# Altium PCB spin5v1_simple.PcbDoc (part 8 of 25) (continued)
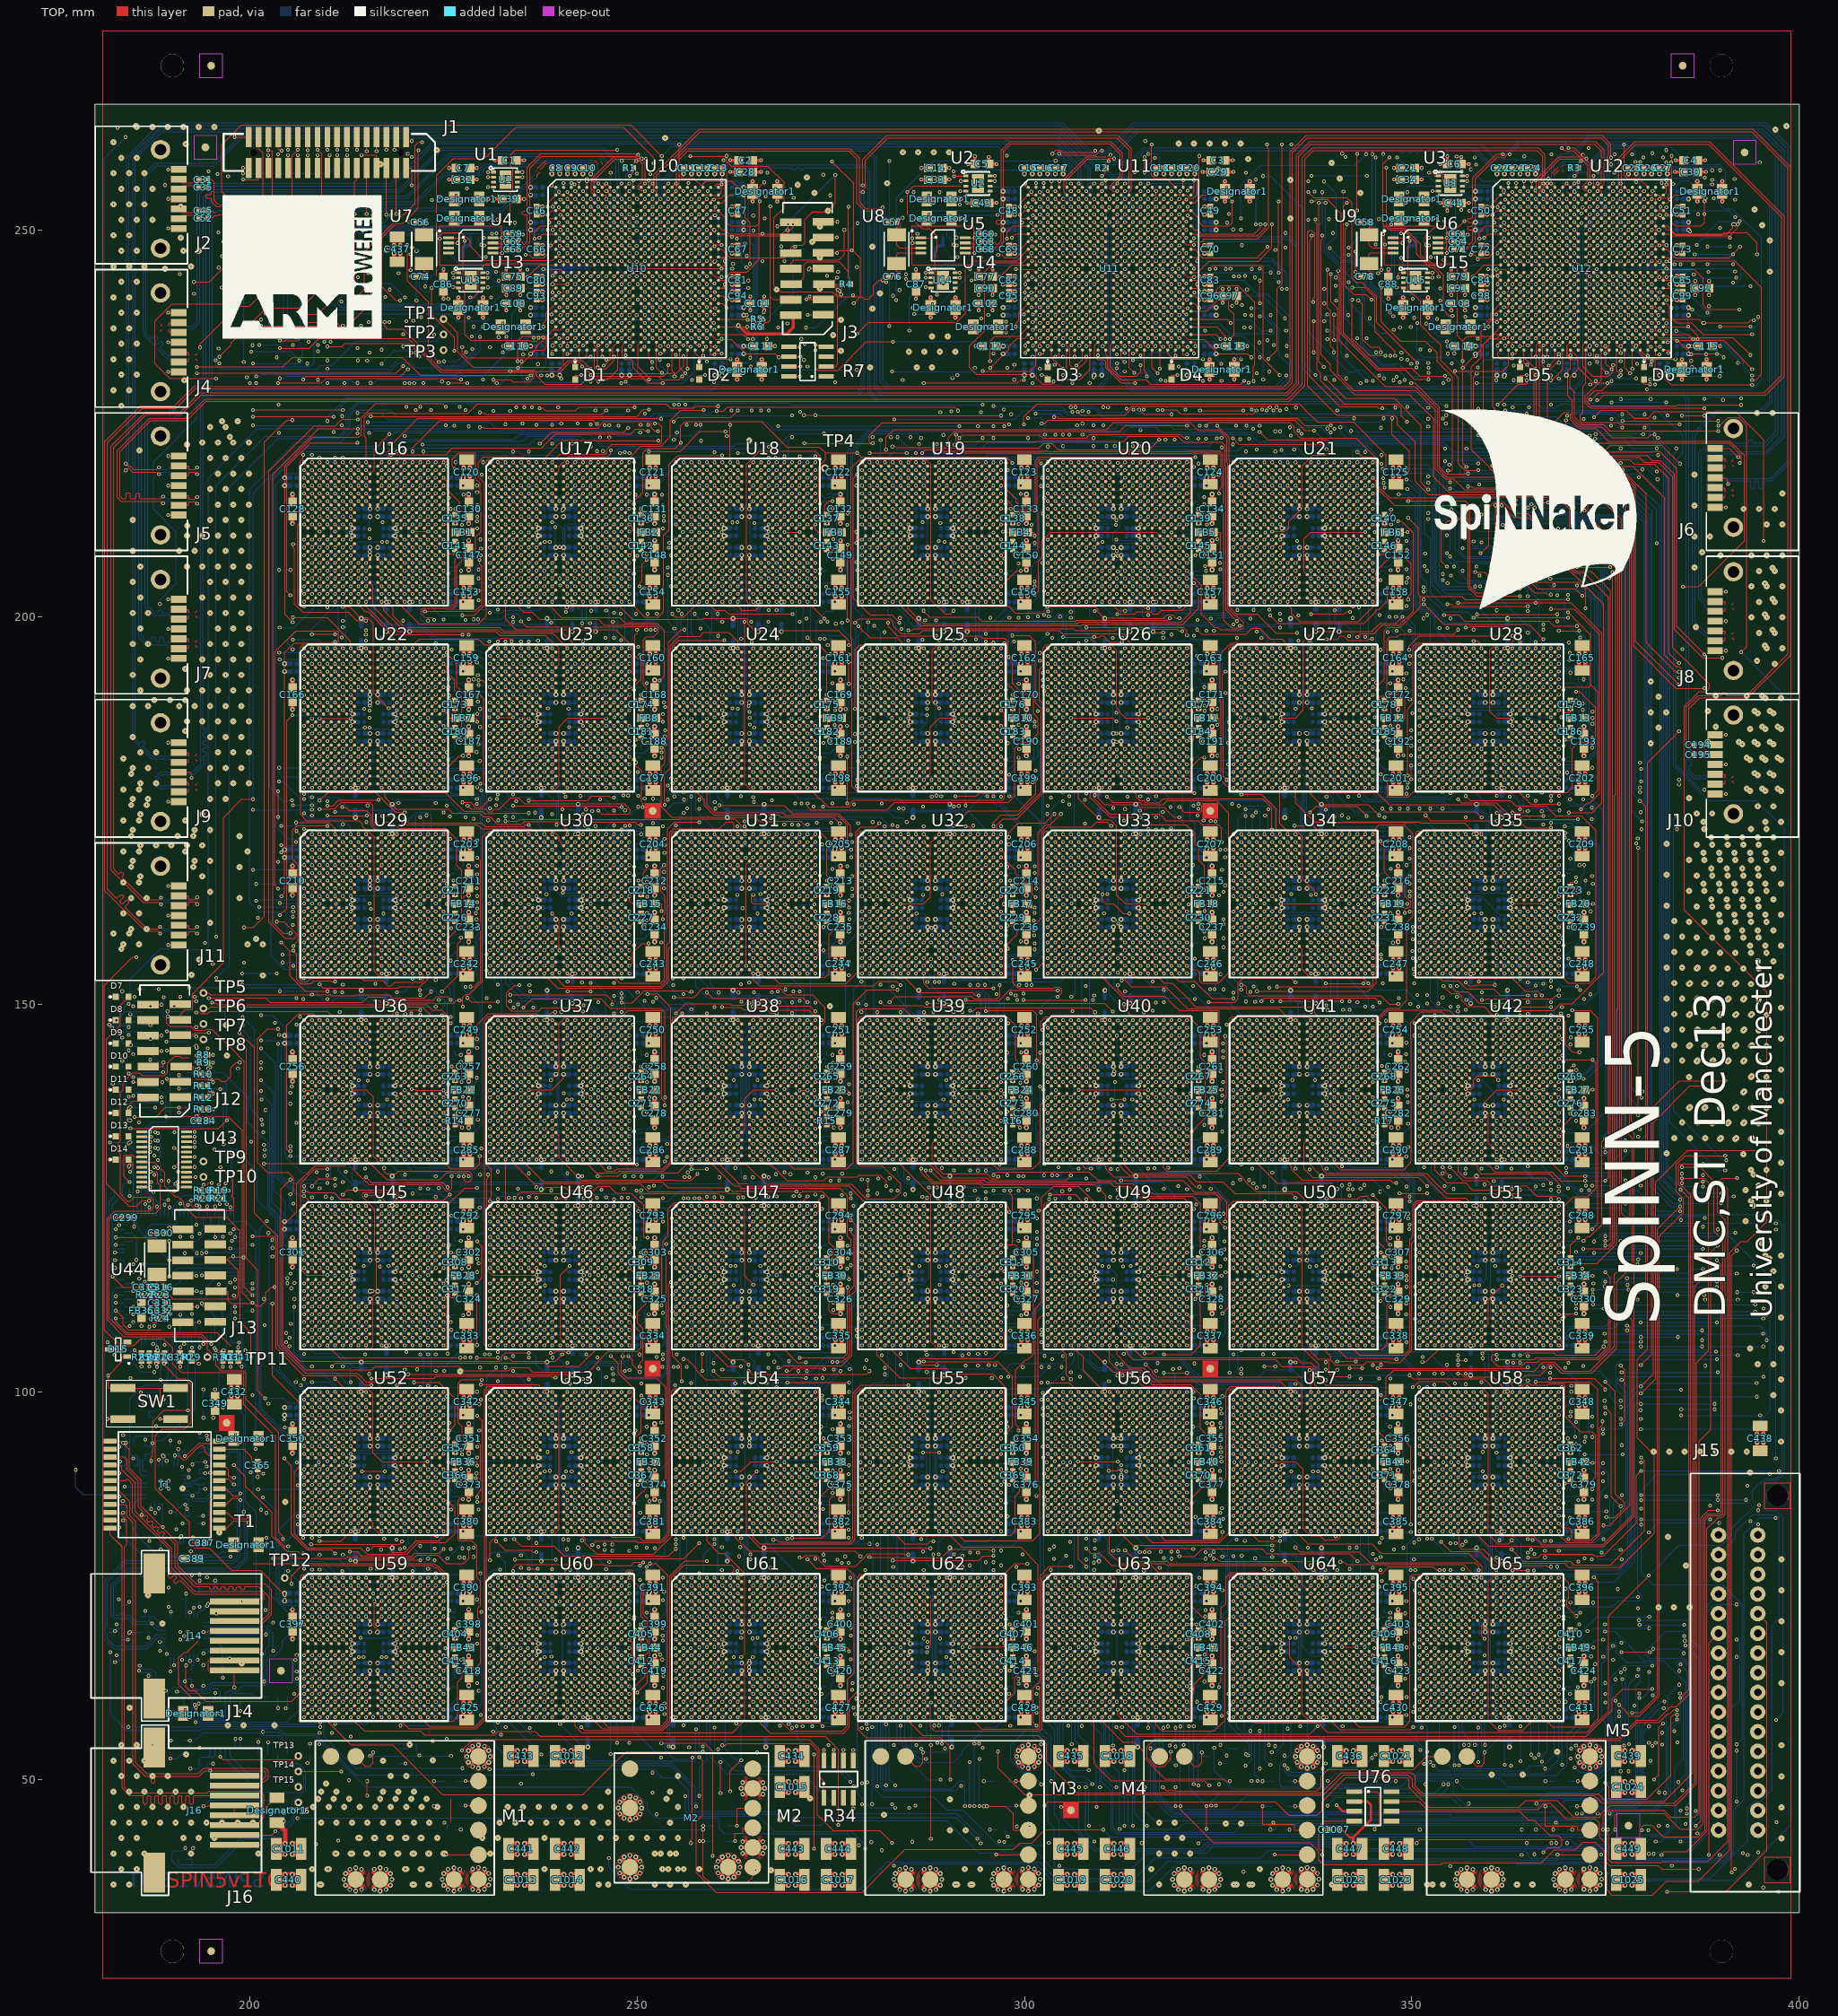
[diagram p0: TOP view]
## Nets (pads, with @x,y where several pads share a name; then routed paths per layer and width w, separated by ;. In a path a pad name is that pad's centre, name@x,y a point inside that pad or via, vN(x,y) a via of type N, cw(c..) or ccw(c..) an arc to the next point about the centre after c; other vN are vias at no path point) (continued)
S03_L0<7>: U32.T11 U33.C11
  other v1: 290,156 314,170 290.917,175.551
S03_L0<8>: U32.R9 U33.D9
  other v1: 287,157 311,169
S03_L0<9>: U32.V8 U33.A8
  other v1: 286,154 288.025,159.901 310,172
S03_L0<10>: U32.U8 U33.B8
  other v1: 286,155 310,171
S03_L0<11>: U32.T8 U33.C8
  other v1: 286,156 310,170
S03_L0<12>: U32.R8 U33.D8
  other v1: 286,157 310,169
S03_L0<13>: U32.V9 U33.A9 | length 37.4
  TOP w0.127: v1(287,154) 287,152.747 287.635,152.112 v1(296,152.112) ; v1(301.517,154.516) 302.522,155.521 302.522,172.177 302.776,172.431 310.569,172.431 v1(311,172)
S03_L0<14>: U32.U9 U33.B9
  other v1: 287,155 311,171
S03_L0<15>: U32.T9 U33.C9
  other v1: 287,156 311,170
S03_L1<0>: U26.D7 U32.V16
  other v1: 295,154 301.242,158.951 309,193 298.655,195.132
S03_L1<1>: U26.A6 U32.V14 | length 34.7
  BOTTOM w0.127: v1(293,154) 293.431,154.431 296.232,154.431 296.431,154.232 296.431,153.942 296.939,153.434 303.05,153.434 303.431,153.815 303.431,175.193 304.511,176.273 v1(305,176.273)
  other v1: 308,196
S03_L1<2>: U26.B6 U32.U14 | length 52.9
  BOTTOM w0.127: v1(293,155) 293.496,155.496 297.314,155.496 298.057,156.239 301.444,156.239 302.27,157.065 302.27,181.928 302.842,182.5 307.113,182.5 307.431,182.818 307.431,194.431 v1(308,195)
S03_L1<3>: U26.C6 U32.T14
  other v1: 298.262,151.397 293,156 308,194
S03_L1<4>: U26.D6 U32.R14
  other v1: 293,157 306.099,163.067 308,193
S03_L1<5>: U26.A7 U32.V15 | length 47.1
  BOTTOM w0.127: v1(301.295,155.222) 302.525,156.452 302.525,181.177 302.779,181.431 308.05,181.431 308.431,181.812 308.431,195.431 v1(309,196)
  other v1: 294,154
S03_L1<6>: U26.B7 U32.U15
  other v1: 294,155 301.317,157.108 301.993,194.4 309,195
S03_L1<7>: U26.C7 U32.T15
  other v1: 294,156 301.216,160.835 302.391,192.8 309,194
S03_L1<8>: U26.D5 U32.R13
  other v1: 292,157 291.524,175.642 307,193
S03_L1<9>: U26.A3 U32.V12 | length 11.9
  BOTTOM w0.127: v1(297.607,158.957) 297.219,158.569 296.768,158.569 296.569,158.768 296.569,164.232 296.768,164.431 297.566,164.431 298.836,165.701 298.836,165.744 299.279,166.187 v1(299.279,167.821)
  other v1: 291,154 288.066,159 305,196
S03_L1<10>: U26.A4 U32.U12 | length 35.3
  TOP w0.127: v1(292.4,173) 292.831,173 293.22,172.611 296.232,172.611 296.431,172.81 296.431,173.142 297.257,173.968 299.06,173.968 302.426,177.334 302.426,188.873 301.96,189.339 301.96,193.253 302.424,193.717 302.424,196.034 302.821,196.431 305.569,196.431 v1(306,196)
  other v1: 291,155
S03_L1<11>: U26.B4 U32.T12
  other v1: 291,156 305.8,175.842 306,195
S03_L1<12>: U26.C4 U32.R12
  other v1: 291,157 306,194
S03_L1<13>: U26.A5 U32.V13
  other v1: 292,154 305.8,176.873 307,196
S03_L1<14>: U26.B5 U32.U13 | length 34.3
  TOP w0.127: v1(290.875,173.079) 292.78,174.984 299.28,174.984 301.503,177.207 v1(301.503,179.123)
  BOTTOM w0.127: v1(301.503,179.123) 302.016,179.636 302.016,182.637 302.81,183.431 306.05,183.431 306.431,183.812 306.431,194.431 v1(307,195)
  other v1: 292,155 289.4,164.242
S03_L1<15>: U26.C5 U32.T13 | length 7.5
  TOP w0.127: v1(298,171.6) 298,172.253 299.207,173.46 302.721,173.46 v1(303.862,174.601)
  other v1: 292,156 307,194
S03_L2<0>: U24.R5 U32.R16 | length 22.7
  BOTTOM w0.127: v1(256.014,174.741) 255.568,174.295 255.568,170.788 255.886,170.47 273.229,170.47 273.431,170.672 v1(273.898,170.672)
  other v1: 295,157 296,162.966 259,181
S03_L2<1>: U24.V3 U32.N15 | length 31.4
  TOP w0.127: 257,178 257.451,177.549 257.542,177.549 258.685,176.406 258.685,175.708 259.892,174.501 268.306,174.501 268.63,174.177 275.384,174.177 v1(276.169,173.392)
  BOTTOM w0.127: v1(286.067,161.742) 287.057,161.742 287.311,161.488 287.311,160.003 287.883,159.431 293.569,159.431 294,159
  other v1: 277.342,163.431
S03_L2<2>: U24.V4 U32.N16 | length 56
  BOTTOM w0.127: v1(258,178) 257.568,177.568 257.568,175.074 260.045,172.597 266.851,172.597 268.431,174.177 281.453,174.177 282.533,173.097 282.533,172.994 282.978,172.549 294.113,172.549 294.431,172.231 294.431,159.569 v1(295,159)
  other v1: 290,172
S03_L2<3>: U24.U4 U32.N17
  other v1: 296,159 286.903,164.172 282.964,173.199 275.054,173.492 258,179
S03_L2<4>: U24.T4 U32.N18 | length 40.7
  BOTTOM w0.127: 258,180 258.432,179.568 258.432,176.327 259.893,174.866 282.424,174.866 283.152,174.138 284.22,174.138 v1(284.8,173.558) ; v1(297,173.042) 296.569,172.611 296.569,165.768 296.768,165.569 297.178,165.569 297.609,166 v1(298.163,166)
  other v1: 297,159
S03_L2<5>: U24.V5 U32.P16 | length 57.3
  TOP w0.127: v1(259,178) 259,175.771 260.016,174.755 268.814,174.755 269.138,174.431 275.871,174.431 277.141,173.161 277.141,170.482 v1(277.623,170)
  BOTTOM w0.127: v1(277.623,170) 278.315,170.692 278.315,170.986 278.76,171.431 286.232,171.431 286.431,171.232 286.431,169.812 286.05,169.431 285.82,169.431 285.439,169.05 285.439,158.939 285.947,158.431 294.569,158.431 295,158
S03_L2<6>: U24.U5 U32.P17
  other v1: 296,158 297.607,160.791 280.901,162.931 259,179
S03_L2<7>: U24.T5 U32.P18
  other v1: 297,158 259,180
S03_L2<8>: U24.R7 U32.V18
  other v1: 297,154 299.237,161.035 294.901,163.068 277.142,167.842 272.8,175.565 261,181
S03_L2<9>: U24.V6 U32.R17
  other v1: 296,157 299.535,158.158 287,173 260,178
S03_L2<10>: U24.U6 U32.R18 | length 55.9
  BOTTOM w0.127: v1(260,179) 260.437,178.563 260.437,176.709 261.031,176.115 261.031,175.452 261.349,175.134 283.202,175.134 283.47,174.866 292.764,174.866 295.431,172.199 295.431,157.939 295.939,157.431 296.569,157.431 v1(297,157)
  other v1: 297,156 257,178 261,178 262,178 258,180
S03_L2<11>: U24.T6 U32.T16 | length 8.3
  BOTTOM w0.127: v1(287.931,158) 288.5,157.431 294.232,157.431 294.431,157.232 294.431,156.569 v1(295,156)
  other v1: 260,180
S03_L2<12>: U24.R6 U32.T17
  other v1: 296,156 301.317,157.915 260,181
S03_L2<13>: U24.V7 U32.T18 | length 66.6
  BOTTOM w0.127: 261,178 261.597,177.403 270.101,177.403 270.854,176.65 283.815,176.65 285.085,175.38 285.085,175.374 285.339,175.12 292.792,175.12 294.57,176.898 294.57,176.94 294.967,177.337 298.29,177.337 301.973,173.654 301.973,157.128 301.338,156.493 297.493,156.493 297,156
S03_L2<14>: U24.U7 U32.U17
  other v1: 296,155 287.931,155.901 261,179
S03_L2<15>: U24.T7 U32.U18
  other v1: 297,155 297.607,159.577 261,180
S04_L0<0>: U33.R11 U41.D11
  other v1: 338,145 314,157
S04_L0<1>: U33.V10 U41.A10 | length 27
  TOP w0.127: v1(313,154) 313,153.16 313.826,152.334 318.24,152.334 320.209,150.365 320.209,150.359 321.098,149.47 332.859,149.47 333.898,148.431 336.569,148.431 v1(337,148)
S04_L0<2>: U33.U10 U41.B10
  other v1: 337,147 328,151.934 313,155
S04_L0<3>: U33.T10 U41.C10 | length 15.4
  BOTTOM w0.127: 313,156 312.431,155.431 312.4,155.431 311.638,154.669 311.638,152.207 312.972,150.873 321.411,150.873 321.581,150.703 v1(322.012,150.703)
  other v1: 337,146
S04_L0<4>: U33.R10 U41.D10
  other v1: 337,145 321.758,152.38 312.569,153.122 313,157
S04_L0<5>: U33.V11 U41.A11 | length 27
  TOP w0.127: v1(314,154) 314.597,153.403 317.429,153.403 318.064,152.768 319.104,152.768 321.327,150.545 321.327,150.518 322.121,149.724 337.059,149.724 337.504,149.279 337.504,148.888 338,148.392 v1(338,148)
S04_L0<6>: U33.U11 U41.B11 | length 16.4
  BOTTOM w0.127: v1(325.327,153.935) 326.631,152.631 326.66,152.631 328.171,151.12 334.797,151.12 336.194,149.723 336.194,148.193 336.956,147.431 337.569,147.431 338,147
  other v1: 314,155
S04_L0<7>: U33.T11 U41.C11
  other v1: 338,146 316.554,152.972 314,156
S04_L0<8>: U33.R9 U41.D9
  other v1: 335,145 311,157
S04_L0<9>: U33.V8 U41.A8 | length 8.8
  TOP w0.127: v1(310,154) 310,153.608 310.496,153.112 310.496,153.061 312.973,150.584 315.168,150.584 v1(316.552,149.2)
S04_L0<10>: U33.U8 U41.B8 | length 8.1
  BOTTOM w0.127: v1(326.127,147.431) 333.569,147.431 v1(334,147)
  other v1: 310,155
S04_L0<11>: U33.T8 U41.C8 | length 37.5
  BOTTOM w0.127: v1(310,156) 309.569,155.569 308.768,155.569 308.569,155.768 308.569,157.232 308.768,157.431 321.232,157.431 321.431,157.232 321.431,153.504 322.189,152.746 322.189,152.703 323.396,151.496 325.15,151.496 328.215,148.431 334.178,148.431 334.432,148.177 334.432,146.432 v1(334,146)
  other v1: 334,148
S04_L0<12>: U33.R8 U41.D8
  other v1: 334,145 316.983,150.254 312.067,156 310,157
S04_L0<13>: U33.V9 U41.A9 | length 13.9
  TOP w0.127: v1(323.812,150.303) 327.124,150.303 327.569,150.748 327.569,152.768 328.204,153.403 334.451,153.403 v1(335,152.854)
  other v1: 335,148 311,154
S04_L0<14>: U33.U9 U41.B9 | length 9.4
  BOTTOM w0.127: v1(329.8,150.379) 330.287,150.866 334.638,150.866 335.432,150.072 335.432,147.432 v1(335,147)
  other v1: 338,147 311,155
S04_L0<15>: U33.T9 U41.C9
  other v1: 335,146 325.727,151.957 311,156
S04_L1<0>: U33.V16 U34.D7 | length 9.3
  TOP w0.127: v1(319,154) 319.978,153.022 321.998,153.022 324.221,150.799 v1(326.985,150.799)
  other v1: 333,169
S04_L1<1>: U33.V14 U34.A6
  other v1: 328.6,150.399 317,154 332,172
S04_L1<2>: U33.U14 U34.B6
  other v1: 317,155 323.267,158.558 325.715,158.558 332,171
S04_L1<3>: U33.T14 U34.C6
  other v1: 317,156 332,170
S04_L1<4>: U33.R14 U34.D6
  other v1: 317,157 332,169
S04_L1<5>: U33.V15 U34.A7 | length 8.7
  TOP w0.127: v1(328,177.139) 330.603,177.139 332.508,175.234 332.508,172.492 v1(333,172)
  other v1: 323.964,151.98 318,154 325.715,161.015 322.335,174.389
S04_L1<6>: U33.U15 U34.B7
  other v1: 318,155 333,171
S04_L1<7>: U33.T15 U34.C7
  other v1: 318,156 325.967,170 333,170
S04_L1<8>: U33.R13 U34.D5
  other v1: 316,157 331,169
S04_L1<9>: U33.V12 U34.A3
  other v1: 315,154 329,172
S04_L1<10>: U33.U12 U34.A4 | length 19.4
  BOTTOM w0.127: v1(324.571,151.98) 324.571,152.411 324.896,152.736 324.896,158.417 323.754,159.559 323.754,168.149 324.008,168.403 324.174,168.403 325.317,169.546 v1(325.317,170)
  other v1: 315,155 330,172
S04_L1<11>: U33.T12 U34.B4
  other v1: 315,156 330,171
S04_L1<12>: U33.R12 U34.C4
  other v1: 315,157 330,170
S04_L1<13>: U33.V13 U34.A5
  other v1: 316,154 312.069,154.099 331,172 312.507,172.431
S04_L1<14>: U33.U13 U34.B5 | length 4.9
  BOTTOM w0.127: v1(316,155) 315.568,154.568 315.568,153.3 316.965,151.903 v1(318,151.903)
  other v1: 326.985,151.534 328,162.931 331,171
S04_L1<15>: U33.T13 U34.C5
  other v1: 322,155.933 316,156 325.115,164.079 331,170
S04_L2<0>: U26.R5 U33.R16
  other v1: 319,157 307.8,176.441 307,181
S04_L2<1>: U26.V3 U33.N15
  other v1: 318,159 311.676,160.895 305,178
S04_L2<2>: U26.V4 U33.N16 | length 30.8
  BOTTOM w0.127: v1(306,178) 306.431,177.569 306.431,171.95 306.812,171.569 314.061,171.569 314.569,171.061 314.569,159.759 314.823,159.505 318.495,159.505 319,159
S04_L2<3>: U26.U4 U33.N17
  other v1: 320,159 306,179
S04_L2<4>: U26.T4 U33.N18 | length 32.5
  BOTTOM w0.127: 306,180 306.569,179.431 308.232,179.431 308.431,179.232 308.431,176.073 309.638,174.866 310.68,174.866 312.331,173.215 312.331,173.193 312.431,173.093 313.299,173.093 313.795,172.597 315.034,172.597 315.431,172.2 315.431,166.939 315.939,166.431 320.232,166.431 320.431,166.232 320.431,159.569 321,159
S04_L2<5>: U26.V5 U33.P16 | length 21.3
  TOP w0.127: v1(307,178) 307,176.574 309.731,173.843 311.065,173.843 311.891,173.017 311.891,164.139 313.034,162.996 v1(316,162.996)
  other v1: 319,158 306,180
S04_L2<6>: U26.U5 U33.P17
  other v1: 320,158 317,174.158 313.328,176.842 307,179
S04_L2<7>: U26.T5 U33.P18 | length 26.9
  TOP w0.127: v1(301.542,165.598) 301.542,166.029 301.76,166.247 301.76,172.177 302.776,173.193 303.316,173.193 v1(304.723,174.6)
  BOTTOM w0.127: v1(309,163.067) 309.431,162.636 309.431,158.939 309.939,158.431 320.569,158.431 321,158
  other v1: 307,180
S04_L2<8>: U26.R7 U33.V18
  other v1: 321,154 310.285,161.758 321.2,162.931 309,181
S04_L2<9>: U26.V6 U33.R17
  other v1: 320,157 308,178
S04_L2<10>: U26.U6 U33.R18
  other v1: 321,157 308,179
S04_L2<11>: U26.T6 U33.T16 | length 10.7
  BOTTOM w0.127: v1(312.999,151.703) 312.999,151.261 313.126,151.134 317.859,151.134 318.431,151.706 318.431,155.431 v1(319,156)
  other v1: 313,156 308,180
S04_L2<12>: U26.R6 U33.T17
  other v1: 320,156 320,162.996 308,181
S04_L2<13>: U26.V7 U33.T18 | length 24.7
  TOP w0.127: v1(309,178) 308.569,177.569 308.569,176.666 311.046,174.189 314.022,174.189 314.98,173.231 320.895,173.231 322.038,172.088 322.038,170.653 322.486,170.205 322.486,168.659 323.237,167.908 v1(323.237,164.793)
  other v1: 321,156
S04_L2<14>: U26.U7 U33.U17 | length 13.4
  BOTTOM w0.127: 309,179 309.505,178.495 309.505,177.848 309.95,177.403 315.716,177.403 317.431,175.688 317.431,173.407 317.8,173.038 v1(317.8,172.607)
  other v1: 320,155
S04_L2<15>: U26.T7 U33.U18 | length 45.1
  TOP w0.127: v1(310.672,176.842) 311.427,176.087 314.85,176.087 315.139,175.798 317.939,175.798 318.462,176.321 324.81,176.321 326.398,174.733 326.398,154.118 325.064,152.784 322.951,152.784 322.697,153.038 322.697,154.051 322.252,154.496 321.504,154.496 v1(321,155)
  other v1: 309,180
S05_L0<0>: U40.R11 U50.D11
  other v1: 338,121 314,133
S05_L0<1>: U40.V10 U50.A10 | length 27
  TOP w0.127: v1(313,130) 313,129.191 313.953,128.238 327.606,128.238 328.432,127.412 328.432,127.304 329.893,125.843 335.157,125.843 v1(337,124)
S05_L0<2>: U40.U10 U50.B10
  other v1: 337,123 313,131
S05_L0<3>: U40.T10 U50.C10 | length 7.3
  BOTTOM w0.127: v1(334.295,116.242) 335.05,116.242 335.939,117.131 335.939,120.939 v1(337,122)
  other v1: 313,132
S05_L0<4>: U40.R10 U50.D10 | length 13.6
  TOP w0.127: v1(316,125.723) 316.431,125.723 316.608,125.546 324.712,125.546 325.284,124.974 325.284,121.831 v1(325.915,121.2)
  other v1: 337,121 313,133
S05_L0<5>: U40.V11 U50.A11
  other v1: 314,130
S05_L0<6>: U40.U11 U50.B11
  other v1: 338,123 314,131
S05_L0<7>: U40.T11 U50.C11 | length 4.4
  BOTTOM w0.127: v1(314,132) 314.569,131.431 315.232,131.431 315.431,131.232 315.431,129.376 v1(316,128.807)
  other v1: 338,122
S05_L0<8>: U40.R9 U50.D9 | length 3.9
  BOTTOM w0.127: v1(324.055,126.231) 325.715,124.571 v1(325.715,123)
  other v1: 335,121 311,133
S05_L0<9>: U40.V8 U50.A8
  other v1: 334,124 310,130
S05_L0<10>: U40.U8 U50.B8
  other v1: 334,123 311.065,125.158 310,131
S05_L0<11>: U40.T8 U50.C8
  other v1: 334,122 316,124.607 310,132
S05_L0<12>: U40.R8 U50.D8 | length 17.5
  TOP w0.127: v1(312.483,127.297) 320.478,127.297 321.431,126.344 321.431,126.308 321.939,125.8 324.876,125.8 326.146,124.53 326.146,122.662 325.915,122.431 v1(325.915,122)
  other v1: 334,121 310,133
S05_L0<13>: U40.V9 U50.A9 | length 26.1
  TOP w0.127: 311,130 311.564,129.436 312.099,129.436 312.496,129.039 312.496,128.998 313.512,127.982 321.386,127.982 322.251,127.117 325.636,127.117 327.164,125.589 334.49,125.589 v1(335,125.079)
  other v1: 335,124
S05_L0<14>: U40.U9 U50.B9
  other v1: 335,123 319.862,126.558 312.065,128.734 311,131
S05_L0<15>: U40.T9 U50.C9
  other v1: 335,122 326.915,126.949 311,132
S05_L1<0>: U40.V16 U41.D7 | length 29.3
  BOTTOM w0.127: v1(319,130) 319.82,129.18 326.807,129.18 327.569,129.942 327.569,144.232 327.768,144.431 332.431,144.431 v1(333,145)
S05_L1<1>: U40.V14 U41.A6
  other v1: 317,130 325.542,133.6 332,148
S05_L1<2>: U40.U14 U41.B6 | length 32.2
  BOTTOM w0.127: v1(317,131) 317.431,131.431 320.232,131.431 320.431,131.232 320.431,129.942 320.939,129.434 323.81,129.434 326.35,131.974 326.35,145.986 326.795,146.431 331.431,146.431 v1(332,147)
S05_L1<3>: U40.T14 U41.C6
  other v1: 317,132 317,138.931 332,146
S05_L1<4>: U40.R14 U41.D6
  other v1: 317,133 332,145
S05_L1<5>: U40.V15 U41.A7 | length 35.2
  TOP w0.127: v1(318,130) 318,128.885 318.381,128.504 324.791,128.504 326.569,130.282 326.569,148.232 326.768,148.431 332.569,148.431 v1(333,148)
S05_L1<6>: U40.U15 U41.B7
  other v1: 318,131 325.435,136.408 333,147
S05_L1<7>: U40.T15 U41.C7 | length 8.8
  TOP w0.127: v1(325.435,137.442) 326.096,138.103 326.096,145.327 325.919,145.504 v1(325.919,145.935)
  other v1: 318,132 333,146
S05_L1<8>: U40.R13 U41.D5
  other v1: 316,133 325.542,138.249 328,138.965 331,145
S05_L1<9>: U40.V12 U41.A3
  other v1: 327.858,127.358 315,130 329,148
S05_L1<10>: U40.U12 U41.A4
  other v1: 315,131 330,148 315.43,149
S05_L1<11>: U40.T12 U41.B4
  other v1: 315,132 330,147
S05_L1<12>: U40.R12 U41.C4
  other v1: 315,133 330,146
S05_L1<13>: U40.V13 U41.A5
  other v1: 316,130 328.93,139.069 331,148
S05_L1<14>: U40.U13 U41.B5
  other v1: 316,131 331,147
S05_L1<15>: U40.T13 U41.C5
  other v1: 316,132 331,146
S05_L2<0>: U33.R5 U40.R16 | length 35.2
  BOTTOM w0.127: v1(307,157) 307.432,156.568 307.432,133.939 307.94,133.431 318.569,133.431 v1(319,133)
S05_L2<1>: U33.V3 U40.N15
  other v1: 318,135 305,154
S05_L2<2>: U33.V4 U40.N16
  other v1: 319,135 306,154
S05_L2<3>: U33.U4 U40.N17
  other v1: 320,135 319,138.931 307.932,152.396 306,155
S05_L2<4>: U33.T4 U40.N18 | length 13.4
  BOTTOM w0.127: v1(311.688,140) 311.688,136.511 312.768,135.431 320.569,135.431 v1(321,135)
  other v1: 313,135 309.001,151.196 306,156
S05_L2<5>: U33.V5 U40.P16
  other v1: 319,134 307,154
S05_L2<6>: U33.U5 U40.P17 | length 24
  BOTTOM w0.127: v1(312.067,147.95) 312.586,147.431 319.232,147.431 319.431,147.232 319.431,137.939 319.939,137.431 321.212,137.431 322.038,136.605 322.038,135.733 321.685,135.38 321.685,135.013 321.177,134.505 320.505,134.505 v1(320,134)
  other v1: 307,155
S05_L2<7>: U33.T5 U40.P18
  other v1: 321,134 321.431,138.531 318,138.931 318,150.3 307,156
S05_L2<8>: U33.R7 U40.V18 | length 41.8
  BOTTOM w0.127: v1(309,157) 309.569,156.431 320.232,156.431 320.431,156.232 320.431,152.893 322.082,151.242 322.102,151.242 324.896,148.448 324.896,134.017 323.118,132.239 322.512,132.239 321.432,131.159 321.432,130.432 v1(321,130)
S05_L2<9>: U33.V6 U40.R17 | length 32
  BOTTOM w0.127: v1(308,154) 308.431,153.569 308.431,134.95 308.812,134.569 319.055,134.569 319.5,134.124 319.5,133.5 v1(320,133)
S05_L2<10>: U33.U6 U40.R18 | length 36.7
  BOTTOM w0.127: v1(308,155) 308.569,154.431 310.178,154.431 310.496,154.113 310.496,153.424 310.995,152.925 310.995,151.289 313.853,148.431 320.232,148.431 320.431,148.232 320.431,139.915 321.384,138.962 322.832,138.962 323.658,138.136 323.658,133.585 322.642,132.569 321.431,132.569 v1(321,133)
S05_L2<11>: U33.T6 U40.T16 | length 16.6
  BOTTOM w0.127: v1(302.569,132.431) 318.569,132.431 v1(319,132)
  other v1: 308,156
S05_L2<12>: U33.R6 U40.T17
  other v1: 320,132 308,157
S05_L2<13>: U33.V7 U40.T18 | length 14.2
  BOTTOM w0.127: v1(311.607,141.4) 312.573,140.434 318.188,140.434 318.569,140.053 318.569,136.759 318.823,136.505 321.106,136.505 v1(321.607,136.004)
  other v1: 321,132 309,154
S05_L2<14>: U33.U7 U40.U17 | length 22.6
  TOP w0.127: v1(312.069,152.503) 312.069,151.982 312.958,151.093 318.113,151.093 319.193,150.013 319.193,150.01 319.987,149.216 325.041,149.216 325.141,149.116 325.141,142.017 325.327,141.831 v1(325.327,141.4)
  other v1: 320,131 309,155
S05_L2<15>: U33.T7 U40.U18 | length 28.7
  TOP w0.127: v1(312.869,150.054) 312.869,149.511 313.949,148.431 321.216,148.431 322.74,146.907 322.74,143.167 323.366,142.541 323.366,135.353 323.167,135.154 323.146,135.154 321.431,133.439 321.431,131.431 v1(321,131)
  other v1: 309,156
S06_L0<0>: U49.R11 U57.D11
  other v1: 338,97 315.518,105.569 314,109
S06_L0<1>: U49.V10 U57.A10 | length 29.2
  TOP w0.127: v1(313,106) 313,105.471 313.263,105.208 313.263,104.919 314.025,104.157 332.378,104.157 333.284,103.251 337.09,103.251 337.289,103.052 337.289,102.447 337,102.158 v1(337,100)
S06_L0<2>: U49.U10 U57.B10
  other v1: 337,99 313,107
S06_L0<3>: U49.T10 U57.C10
  other v1: 337,98 313,108
S06_L0<4>: U49.R10 U57.D10 | length 16.2
  BOTTOM w0.127: v1(313,109) 313.431,108.569 323.476,108.569 324.746,109.839 324.746,112.83 v1(325.316,113.4)
  other v1: 337,97 337.705,116.242
S06_L0<5>: U49.V11 U57.A11 | length 28.3
  TOP w0.127: v1(314,106) 314,105.608 314.496,105.112 314.496,105.11 315.195,104.411 335.105,104.411 335.757,103.759 336.971,103.759 337.543,103.187 337.543,102.068 337.504,102.029 337.504,100.888 338,100.392 338,100
S06_L0<6>: U49.U11 U57.B11
  other v1: 338,99 321.959,103.671 314,107
S06_L0<7>: U49.T11 U57.C11 | length 22.4
  TOP w0.127: v1(315.665,103.551) 316.512,102.704 316.512,102.508 317.084,101.936 336.062,101.936 336.57,102.444 336.57,102.532 v1(336.858,102.82)
  other v1: 338,98 314,108
S06_L0<8>: U49.R9 U57.D9
  other v1: 335,97 332.201,104.905 311,109 325.372,110.958
S06_L0<9>: U49.V8 U57.A8 | length 17
  TOP w0.127: v1(318,102.441) v1(321,102.441)
  BOTTOM w0.127: v1(321,102.441) 322.501,100.94 332.567,100.94 333.076,100.431 333.178,100.431 333.609,100 334,100
  other v1: 310,106
S06_L0<10>: U49.U8 U57.B8
  other v1: 334,99 312.001,102.158 310,107
S06_L0<11>: U49.T8 U57.C8 | length 2.3
  BOTTOM w0.127: v1(310,108) 310.569,107.431 311.5,107.431 v1(311.931,107)
  other v1: 334,98
S06_L0<12>: U49.R8 U57.D8 | length 29.1
  BOTTOM w0.127: v1(312.832,104.908) 313.327,105.403 314.372,105.403 315.618,104.157 319.949,104.157 322.912,101.194 332.776,101.194 333.284,100.686 333.538,100.431 335.232,100.431 335.431,100.232 335.431,97.812 335.05,97.431 334.431,97.431 v1(334,97)
  other v1: 334,100 338,100 310,109
S06_L0<13>: U49.V9 U57.A9 | length 27.7
  TOP w0.127: v1(311,106) 311,103.923 312.08,102.843 315.051,102.843 316.004,101.89 316.004,101.843 316.512,101.335 333.052,101.335 333.955,100.432 334.568,100.432 v1(335,100)
S06_L0<14>: U49.U9 U57.B9 | length 9.6
  BOTTOM w0.127: v1(325.572,99.431) 334.569,99.431 v1(335,99)
  other v1: 311,107
S06_L0<15>: U49.T9 U57.C9 | length 30.3
  TOP w0.127: v1(311.931,105.965) 311.931,104.808 312.969,103.77 312.969,103.732 313.604,103.097 315.369,103.097 316.258,102.208 316.258,102.161 316.83,101.589 335.065,101.589 335.891,100.763 335.891,97.891 U57.C9@335.5,97.5
  other v1: 335,98 311,108
S06_L1<0>: U40.D7 U49.V16 | length 36.9
  BOTTOM w0.127: v1(316.8,128.903) 317.326,128.377 322.717,128.377 326.4,124.694 326.4,115.209 326,114.809 326,107.593 323.587,105.18 319.82,105.18 v1(319,106)
  other v1: 309,145
S06_L1<1>: U40.A6 U49.V14
  other v1: 317,106 308,148
S06_L1<2>: U40.B6 U49.U14
  other v1: 317,107 311.931,120 308,147
S06_L1<3>: U40.C6 U49.T14
  other v1: 317,108 308,146
S06_L1<4>: U40.D6 U49.R14
  other v1: 317,109 308,145
S06_L1<5>: U40.A7 U49.V15
  other v1: 318,106 309,148
S06_L1<6>: U40.B7 U49.U15
  other v1: 318,107 309,147
S06_L1<7>: U40.C7 U49.T15
  other v1: 318,108 309,146
S06_L1<8>: U40.D5 U49.R13 | length 19.7
  BOTTOM w0.127: v1(312.065,125.093) 312.727,124.431 315.232,124.431 315.431,124.232 315.431,123.939 315.939,123.431 316.178,123.431 316.432,123.177 316.432,109.432 v1(316,109)
  other v1: 314,124 307,145
S06_L1<9>: U40.A3 U49.V12
  other v1: 315,106 302.194,106.4 305,148
S06_L1<10>: U40.A4 U49.U12 | length 30.1
  BOTTOM w0.127: v1(306,148) 306.432,147.568 306.432,133.812 306.051,133.431 302.772,133.431 302.137,132.796 302.137,127.774 302.391,127.52 307.538,127.52 307.569,127.551 v1(308,127.551)
  other v1: 315,107 307,115.069
S06_L1<11>: U40.B4 U49.T12
  other v1: 305,101.723 312.538,103.551 305,104.604 315,108 304.9,125.9 306,147
S06_L1<12>: U40.C4 U49.R12 | length 16.1
  TOP w0.127: v1(307,138.996) v1(316,138.996)
  BOTTOM w0.127: v1(315,109) 314.568,109.432 314.568,114.206 315.362,115 v1(316,115)
  other v1: 315,114 306,146
S06_L1<13>: U40.A5 U49.V13
  other v1: 303.594,104.204 316,106 307,148
S06_L1<14>: U40.B5 U49.U13
  other v1: 316,107 307,147
S06_L1<15>: U40.C5 U49.T13
  other v1: 316,108 307,146
S06_L2<0>: U39.R5 U49.R16 | length 57.1
  BOTTOM w0.127: 283,133 283.432,132.568 283.432,129.567 283.631,129.368 283.631,127.946 284.711,126.866 315.764,126.866 318.431,124.199 318.431,109.569 319,109
S06_L2<1>: U39.V3 U49.N15
  other v1: 318,111 281,130
S06_L2<2>: U39.V4 U49.N16
  other v1: 319,111 296,125.978 317.999,126.2 289.328,128.907 282,130
S06_L2<3>: U39.U4 U49.N17
  other v1: 320,111 282,131
S06_L2<4>: U39.T4 U49.N18 | length 13.6
  BOTTOM w0.127: v1(282,132) 281.568,132.432 281.568,137.185 281.949,137.566 288.938,137.566 289.114,137.742 v1(289.545,137.742)
  other v1: 321,111 297.773,111.177 299.237,136.384
S06_L2<5>: U39.V5 U49.P16
  other v1: 319,110 312.731,116.215 283,130
S06_L2<6>: U39.U5 U49.P17 | length 44.6
  TOP w0.127: v1(296,127.982) 296.431,128.413 308.379,128.413 309.499,127.293 311.565,127.293 311.992,126.866 313.995,126.866 315.569,125.292 321.738,125.292 322.754,124.276 v1(322.754,117.992)
  BOTTOM w0.127: v1(320,110) 320.432,110.432 320.432,116.05 320.813,116.431 321.674,116.431 322.754,117.511 v1(322.754,117.992)
  other v1: 282.6,127.582 283,131
S06_L2<7>: U39.T5 U49.P18 | length 30.9
  TOP w0.127: v1(315.533,104.962) 316.428,104.962 316.993,105.527 321.177,105.527 321.431,105.781 321.431,109.569 v1(321,110)
  BOTTOM w0.127: v1(287.4,104.774) 288.038,104.774 289.118,103.694 289.118,103.377 289.515,102.98 297.573,102.98 298.228,103.635 304.778,103.635 v1(306,104.857)
  other v1: 287.679,126.404 283,132
S06_L2<8>: U39.R7 U49.V18 | length 19.5
  BOTTOM w0.127: v1(295,124.932) 294.569,124.932 294.208,125.293 291.768,125.293 291.569,125.094 291.569,115.819 292.077,115.311 293.232,115.311 293.431,115.112 293.431,114.991 293.939,114.483 v1(297.521,114.483)
  other v1: 317.2,103.726 321,106 305,114.931 286.823,125.158 285,133
S06_L2<9>: U39.V6 U49.R17 | length 40.1
  TOP w0.127: v1(287.886,128.591) 289.103,127.374 294.771,127.374 295.106,127.039 311.017,127.039 311.524,126.532 313.51,126.532 315.004,125.038 320.605,125.038 321.431,124.212 v1(321.431,119.43)
  other v1: 320,109 282.807,126.004 284,130
S06_L2<10>: U39.U6 U49.R18 | length 57.5
  BOTTOM w0.127: 284,131 284.432,130.568 284.432,127.517 284.829,127.12 311.585,127.12 312.193,127.728 312.751,127.728 313.359,127.12 317.716,127.12 319.431,125.405 319.431,109.939 319.939,109.431 320.569,109.431 321,109
S06_L2<11>: U39.T6 U49.T16
  other v1: 310.917,101.358 319,108 284,132
S06_L2<12>: U39.R6 U49.T17 | length 6.3
  TOP w0.127: v1(302.57,129.413) 307.303,129.413 307.872,128.844 v1(308.6,128.844)
  other v1: 320,108 311.931,110 284,133
S06_L2<13>: U39.V7 U49.T18 | length 22.4
  TOP w0.127: v1(285,130) 285.597,129.403 287.647,129.403 287.774,129.276 287.872,129.276 288.317,128.831 288.317,128.771 289.46,127.628 295.193,127.628 295.524,127.297 305.346,127.297 v1(306,127.951)
  other v1: 321,108 284,131 289,132 283,133
S06_L2<14>: U39.U7 U49.U17 | length 22.9
  TOP w0.127: v1(317,115.066) v1(319,115.066)
  BOTTOM w0.127: v1(292.2,126.435) 303.427,126.435 305.431,124.431 311.635,124.431 v1(312.066,124)
  other v1: 320,107 285,131
S06_L2<15>: U39.T7 U49.U18
  other v1: 288.287,102.569 317,102.689 321,107 285,132
S07_L0<0>: U48.R11 U49.D11 | length 29.7
  BOTTOM w0.127: v1(290,109) 290.431,109.431 297.232,109.431 297.431,109.232 297.431,109.218 297.812,108.837 299.699,108.837 302.303,111.441 302.303,119.793 301.858,120.238 301.386,120.238 301.187,120.039 301.187,114.895 301.597,114.485 v1(301.597,114.054)
  other v1: 311.434,114.5 314,121
S07_L0<1>: U48.V10 U49.A10 | length 16.3
  BOTTOM w0.127: v1(310.886,116.172) 311.918,115.14 311.918,111.876 311.473,111.431 309.768,111.431 309.569,111.232 309.569,105.788 309.823,105.534 310.47,105.534 311.931,104.073 v1(311.931,103.604)
  other v1: 289,106 313,124
S07_L0<2>: U48.U10 U49.B10 | length 9.6
  BOTTOM w0.127: v1(289,107) 289.566,107.566 297.371,107.566 297.737,107.932 v1(298.168,107.932)
  other v1: 301.608,122.4 313,123
S07_L0<3>: U48.T10 U49.C10
  other v1: 289,108 289.048,113.828 313,122
S07_L0<4>: U48.R10 U49.D10 | length 22.2
  BOTTOM w0.127: v1(289,109) 289.432,109.432 289.432,110.051 289.877,110.496 299.623,110.496 299.716,110.589 299.826,110.589 302.049,112.812 302.049,119.376 v1(301.618,119.807)
  other v1: 313,121
S07_L0<5>: U48.V11 U49.A11 | length 8.6
  BOTTOM w0.127: v1(313.705,116.242) 314.19,116.242 314.508,116.56 314.508,123.492 314,124
  other v1: 290,106 304,114.931
S07_L0<6>: U48.U11 U49.B11
  other v1: 290,107 314,123 305.862,125.002
S07_L0<7>: U48.T11 U49.C11 | length 14.7
  BOTTOM w0.127: v1(311.487,113.2) 311.487,113.693 311.36,113.82 309.638,113.82 309.439,114.019 309.439,121.05 309.82,121.431 313.431,121.431 314,122
  other v1: 296.2,103.481 290,108 299.333,113.4
S07_L0<8>: U48.R9 U49.D9
  other v1: 306,102.523 287.4,102.569 287,109 309,115 306,115.067 311,121
S07_L0<9>: U48.V8 U49.A8 | length 38.6
  BOTTOM w0.127: v1(286,106) 286.505,106.505 287.177,106.505 288.193,107.521 288.193,107.859 288.765,108.431 299.705,108.431 302.563,111.289 302.563,123.177 302.817,123.431 309.431,123.431 v1(310,124)
S07_L0<10>: U48.U8 U49.B8 | length 9.1
  BOTTOM w0.127: v1(308,115.069) 308.431,115.5 308.431,122.05 308.812,122.431 309.431,122.431 v1(310,123)
  other v1: 286,107 302.194,107.393 301.618,115.531
S07_L0<11>: U48.T8 U49.C8 | length 6.2
  BOTTOM w0.127: 286,108 286.431,108.431 287.042,108.431 287.487,108.876 v1(287.487,113.199)
  other v1: 310,122
S07_L0<12>: U48.R8 U49.D8 | length 5.2
  BOTTOM w0.127: v1(286,109) 285.569,108.569 285.569,105.8 285.966,105.403 286.813,105.403 286.835,105.381 v1(287.266,105.381)
  other v1: 302.193,103.204 301.618,119 310,121

## Text inside footprints (layer, text, board x,y; h text height)
U26: PIN_NUMBER "J17" at 319.166,187.5 h0.24; PIN_NUMBER "M17" at 319.166,184.5 h0.24; PIN_NUMBER "M18" at 320.166,184.5 h0.24; PIN_NUMBER "J18" at 320.166,187.5 h0.24; PIN_NUMBER "J16" at 318.166,187.5 h0.24; PIN_NUMBER "C17" at 319.166,193.5 h0.24; PIN_NUMBER "C18" at 320.166,193.5 h0.24; PIN_NUMBER "D16" at 318.166,192.5 h0.24; PIN_NUMBER "K15" at 317.166,186.5 h0.24; PIN_NUMBER "K16" at 318.166,186.5 h0.24; PIN_NUMBER "E18" at 320.166,191.5 h0.24; PIN_NUMBER "F16" at 318.166,190.5 h0.24; PIN_NUMBER "M16" at 318.166,184.5 h0.24; PIN_NUMBER "P14" at 316.166,182.5 h0.24; PIN_NUMBER "N13" at 315.166,183.5 h0.24; PIN_NUMBER "N14" at 316.166,183.5 h0.24; PIN_NUMBER "M12" at 314.166,184.5 h0.24; PIN_NUMBER "M13" at 315.166,184.5 h0.24; PIN_NUMBER "M14" at 316.166,184.5 h0.24; PIN_NUMBER "H12" at 314.166,188.5 h0.24; PIN_NUMBER "H13" at 315.166,188.5 h0.24; PIN_NUMBER "H14" at 316.166,188.5 h0.24; PIN_NUMBER "E6" at 307.854,191.5 h0.24; PIN_NUMBER "E7" at 308.854,191.5 h0.24; PIN_NUMBER "F7" at 308.854,190.5 h0.24; PIN_NUMBER "E8" at 309.854,191.5 h0.24; PIN_NUMBER "F8" at 309.854,190.5 h0.24; PIN_NUMBER "L5" at 306.854,185.5 h0.24; PIN_NUMBER "L6" at 307.854,185.5 h0.24; PIN_NUMBER "L7" at 308.854,185.5 h0.24; PIN_NUMBER "G7" at 308.854,189.5 h0.24; PIN_NUMBER "G5" at 306.854,189.5 h0.24; PIN_NUMBER "G6" at 307.854,189.5 h0.24; PIN_NUMBER "F5" at 306.854,190.5 h0.24; PIN_NUMBER "F6" at 307.854,190.5 h0.24; PIN_NUMBER "E5" at 306.854,191.5 h0.24; PIN_NUMBER "P11" at 313.166,182.5 h0.24; PIN_NUMBER "N11" at 313.166,183.5 h0.24; PIN_NUMBER "P12" at 314.166,182.5 h0.24; PIN_NUMBER "N12" at 314.166,183.5 h0.24; PIN_NUMBER "P13" at 315.166,182.5 h0.24; PIN_NUMBER "K12" at 314.166,186.5 h0.24; PIN_NUMBER "K13" at 315.166,186.5 h0.24; PIN_NUMBER "K14" at 316.166,186.5 h0.24; PIN_NUMBER "E10" at 311.936,191.5 h0.24; PIN_NUMBER "F10" at 311.936,190.5 h0.24; PIN_NUMBER "J5" at 306.854,187.5 h0.24; PIN_NUMBER "J6" at 307.854,187.5 h0.24; PIN_NUMBER "J7" at 308.854,187.5 h0.24; PIN_NUMBER "N9" at 310.854,183.5 h0.24; PIN_NUMBER "P9" at 310.854,182.5 h0.24; PIN_NUMBER "B18" at 320.166,194.5 h0.24; PIN_NUMBER "G16" at 318.166,189.5 h0.24; PIN_NUMBER "C16" at 318.166,193.5 h0.24; PIN_NUMBER "G17" at 319.166,189.5 h0.24; PIN_NUMBER "C13" at 315.166,193.5 h0.24; PIN_NUMBER "B13" at 315.166,194.5 h0.24; PIN_NUMBER "A13" at 315.166,195.5 h0.24; PIN_NUMBER "D14" at 316.166,192.5 h0.24; PIN_NUMBER "C14" at 316.166,193.5 h0.24; PIN_NUMBER "B14" at 316.166,194.5 h0.24; PIN_NUMBER "A14" at 316.166,195.5 h0.24; PIN_NUMBER "K17" at 319.166,186.5 h0.24; PIN_NUMBER "K18" at 320.166,186.5 h0.24; PIN_NUMBER "L15" at 317.166,185.5 h0.24; PIN_NUMBER "L16" at 318.166,185.5 h0.24; PIN_NUMBER "A8" at 309.854,195.5 h0.24; PIN_NUMBER "D9" at 310.854,192.5 h0.24; PIN_NUMBER "C11" at 313.166,193.5 h0.24; PIN_NUMBER "B11" at 313.166,194.5 h0.24; PIN_NUMBER "A11" at 313.166,195.5 h0.24; PIN_NUMBER "D10" at 311.936,192.5 h0.24; PIN_NUMBER "C10" at 311.936,193.5 h0.24; PIN_NUMBER "B10" at 311.936,194.5 h0.24; PIN_NUMBER "A10" at 311.936,195.5 h0.24; PIN_NUMBER "C9" at 310.854,193.5 h0.24; PIN_NUMBER "B9" at 310.854,194.5 h0.24; PIN_NUMBER "A9" at 310.854,195.5 h0.24; PIN_NUMBER "D8" at 309.854,192.5 h0.24; PIN_NUMBER "C8" at 309.854,193.5 h0.24; PIN_NUMBER "B8" at 309.854,194.5 h0.24; PIN_NUMBER "D11" at 313.166,192.5 h0.24; PIN_NUMBER "V8" at 309.854,178.5 h0.24; PIN_NUMBER "R9" at 310.854,181.5 h0.24; PIN_NUMBER "T11" at 313.166,180.5 h0.24; PIN_NUMBER "U11" at 313.166,179.5 h0.24; PIN_NUMBER "V11" at 313.166,178.5 h0.24; PIN_NUMBER "R10" at 311.936,181.5 h0.24; PIN_NUMBER "T10" at 311.936,180.5 h0.24; PIN_NUMBER "U10" at 311.936,179.5 h0.24; PIN_NUMBER "V10" at 311.936,178.5 h0.24; PIN_NUMBER "T9" at 310.854,180.5 h0.24; PIN_NUMBER "U9" at 310.854,179.5 h0.24; PIN_NUMBER "V9" at 310.854,178.5 h0.24; PIN_NUMBER "R8" at 309.854,181.5 h0.24; PIN_NUMBER "T8" at 309.854,180.5 h0.24; PIN_NUMBER "U8" at 309.854,179.5 h0.24; PIN_NUMBER "R11" at 313.166,181.5 h0.24; PIN_NUMBER "R17" at 319.166,181.5 h0.24; PIN_NUMBER "V18" at 320.166,178.5 h0.24; PIN_NUMBER "P18" at 320.166,182.5 h0.24; PIN_NUMBER "P17" at 319.166,182.5 h0.24; PIN_NUMBER "P16" at 318.166,182.5 h0.24; PIN_NUMBER "N18" at 320.166,183.5 h0.24; PIN_NUMBER "N17" at 319.166,183.5 h0.24; PIN_NUMBER "N16" at 318.166,183.5 h0.24; PIN_NUMBER "N15" at 317.166,183.5 h0.24; PIN_NUMBER "U18" at 320.166,179.5 h0.24; PIN_NUMBER "U17" at 319.166,179.5 h0.24; PIN_NUMBER "T18" at 320.166,180.5 h0.24; PIN_NUMBER "T17" at 319.166,180.5 h0.24; PIN_NUMBER "T16" at 318.166,180.5 h0.24; PIN_NUMBER "R18" at 320.166,181.5 h0.24; PIN_NUMBER "R16" at 318.166,181.5 h0.24; PIN_NUMBER "V12" at 314.166,178.5 h0.24; PIN_NUMBER "R13" at 315.166,181.5 h0.24; PIN_NUMBER "T15" at 317.166,180.5 h0.24; PIN_NUMBER "U15" at 317.166,179.5 h0.24; PIN_NUMBER "V15" at 317.166,178.5 h0.24; PIN_NUMBER "R14" at 316.166,181.5 h0.24; PIN_NUMBER "T14" at 316.166,180.5 h0.24; PIN_NUMBER "U14" at 316.166,179.5 h0.24; PIN_NUMBER "V14" at 316.166,178.5 h0.24; PIN_NUMBER "T13" at 315.166,180.5 h0.24; PIN_NUMBER "U13" at 315.166,179.5 h0.24; PIN_NUMBER "V13" at 315.166,178.5 h0.24; PIN_NUMBER "R12" at 314.166,181.5 h0.24; PIN_NUMBER "T12" at 314.166,180.5 h0.24; PIN_NUMBER "U12" at 314.166,179.5 h0.24; PIN_NUMBER "V16" at 318.166,178.5 h0.24; PIN_NUMBER "V6" at 307.854,178.5 h0.24; PIN_NUMBER "R7" at 308.854,181.5 h0.24; PIN_NUMBER "T5" at 306.854,180.5 h0.24; PIN_NUMBER "U5" at 306.854,179.5 h0.24; PIN_NUMBER "V5" at 306.854,178.5 h0.24; PIN_NUMBER "T4" at 305.854,180.5 h0.24; PIN_NUMBER "U4" at 305.854,179.5 h0.24; PIN_NUMBER "V4" at 305.854,178.5 h0.24; PIN_NUMBER "V3" at 304.854,178.5 h0.24; PIN_NUMBER "T7" at 308.854,180.5 h0.24; PIN_NUMBER "U7" at 308.854,179.5 h0.24; PIN_NUMBER "V7" at 308.854,178.5 h0.24; PIN_NUMBER "R6" at 307.854,181.5 h0.24; PIN_NUMBER "T6" at 307.854,180.5 h0.24; PIN_NUMBER "U6" at 307.854,179.5 h0.24; PIN_NUMBER "R5" at 306.854,181.5 h0.24; PIN_NUMBER "A3" at 304.854,195.5 h0.24; PIN_NUMBER "D5" at 306.854,192.5 h0.24; PIN_NUMBER "C7" at 308.854,193.5 h0.24; PIN_NUMBER "B7" at 308.854,194.5 h0.24; PIN_NUMBER "A7" at 308.854,195.5 h0.24; PIN_NUMBER "D6" at 307.854,192.5 h0.24; PIN_NUMBER "C6" at 307.854,193.5 h0.24; PIN_NUMBER "B6" at 307.854,194.5 h0.24; PIN_NUMBER "A6" at 307.854,195.5 h0.24; PIN_NUMBER "C5" at 306.854,193.5 h0.24; PIN_NUMBER "B5" at 306.854,194.5 h0.24; PIN_NUMBER "A5" at 306.854,195.5 h0.24; PIN_NUMBER "C4" at 305.854,193.5 h0.24; PIN_NUMBER "B4" at 305.854,194.5 h0.24; PIN_NUMBER "A4" at 305.854,195.5 h0.24; PIN_NUMBER "D7" at 308.854,192.5 h0.24; PIN_NUMBER "C15" at 317.166,193.5 h0.24; PIN_NUMBER "B15" at 317.166,194.5 h0.24; PIN_NUMBER "A15" at 317.166,195.5 h0.24; PIN_NUMBER "B16" at 318.166,194.5 h0.24; PIN_NUMBER "A16" at 318.166,195.5 h0.24; PIN_NUMBER "A17" at 319.166,195.5 h0.24; PIN_NUMBER "A18" at 320.166,195.5 h0.24; PIN_NUMBER "B17" at 319.166,194.5 h0.24; PIN_NUMBER "H16" at 318.166,188.5 h0.24; PIN_NUMBER "H15" at 317.166,188.5 h0.24; PIN_NUMBER "B12" at 314.166,194.5 h0.24; PIN_NUMBER "C12" at 314.166,193.5 h0.24; PIN_NUMBER "A12" at 314.166,195.5 h0.24; PIN_NUMBER "D13" at 315.166,192.5 h0.24; PIN_NUMBER "F17" at 319.166,190.5 h0.24; PIN_NUMBER "F18" at 320.166,190.5 h0.24; PIN_NUMBER "D17" at 319.166,192.5 h0.24; PIN_NUMBER "D18" at 320.166,192.5 h0.24; PIN_NUMBER "E16" at 318.166,191.5 h0.24; PIN_NUMBER "E17" at 319.166,191.5 h0.24; PIN_NUMBER "L12" at 314.166,185.5 h0.24; PIN_NUMBER "L13" at 315.166,185.5 h0.24; PIN_NUMBER "L14" at 316.166,185.5 h0.24; PIN_NUMBER "L17" at 319.166,185.5 h0.24; PIN_NUMBER "L18" at 320.166,185.5 h0.24; PIN_NUMBER "J12" at 314.166,187.5 h0.24; PIN_NUMBER "J13" at 315.166,187.5 h0.24; PIN_NUMBER "J14" at 316.166,187.5 h0.24; PIN_NUMBER "H17" at 319.166,188.5 h0.24; PIN_NUMBER "H18" at 320.166,188.5 h0.24; PIN_NUMBER "G12" at 314.166,189.5 h0.24; PIN_NUMBER "G13" at 315.166,189.5 h0.24; PIN_NUMBER "G14" at 316.166,189.5 h0.24; PIN_NUMBER "F13" at 315.166,190.5 h0.24; PIN_NUMBER "F14" at 316.166,190.5 h0.24; PIN_NUMBER "E14" at 316.166,191.5 h0.24; PIN_NUMBER "E9" at 310.854,191.5 h0.24; PIN_NUMBER "F9" at 310.854,190.5 h0.24; PIN_NUMBER "F11" at 313.166,190.5 h0.24; PIN_NUMBER "E11" at 313.166,191.5 h0.24; PIN_NUMBER "F12" at 314.166,190.5 h0.24; PIN_NUMBER "E12" at 314.166,191.5 h0.24; PIN_NUMBER "E13" at 315.166,191.5 h0.24; PIN_NUMBER "P5" at 306.854,182.5 h0.24; PIN_NUMBER "N6" at 307.854,183.5 h0.24; PIN_NUMBER "N5" at 306.854,183.5 h0.24; PIN_NUMBER "M5" at 306.854,184.5 h0.24; PIN_NUMBER "M6" at 307.854,184.5 h0.24; PIN_NUMBER "M7" at 308.854,184.5 h0.24; PIN_NUMBER "K5" at 306.854,186.5 h0.24; PIN_NUMBER "K6" at 307.854,186.5 h0.24; PIN_NUMBER "K7" at 308.854,186.5 h0.24; PIN_NUMBER "H5" at 306.854,188.5 h0.24; PIN_NUMBER "H6" at 307.854,188.5 h0.24; PIN_NUMBER "H7" at 308.854,188.5 h0.24; PIN_NUMBER "P6" at 307.854,182.5 h0.24; PIN_NUMBER "N7" at 308.854,183.5 h0.24; PIN_NUMBER "P7" at 308.854,182.5 h0.24; PIN_NUMBER "N8" at 309.854,183.5 h0.24; PIN_NUMBER "P8" at 309.854,182.5 h0.24; PIN_NUMBER "P10" at 311.936,182.5 h0.24; PIN_NUMBER "N10" at 311.936,183.5 h0.24; PIN_NUMBER "D12" at 314.166,192.5 h0.24; PIN_NUMBER "G15" at 317.166,189.5 h0.24; PIN_NUMBER "M15" at 317.166,184.5 h0.24; PIN_NUMBER "G18" at 320.166,189.5 h0.24; PIN_NUMBER "R15" at 317.166,181.5 h0.24; PIN_NUMBER "P15" at 317.166,182.5 h0.24; PIN_NUMBER "J15" at 317.166,187.5 h0.24; PIN_NUMBER "F15" at 317.166,190.5 h0.24; PIN_NUMBER "E15" at 317.166,191.5 h0.24; PIN_NUMBER "D15" at 317.166,192.5 h0.24; PIN_NUMBER "V17" at 319.166,178.5 h0.24; PIN_NUMBER "U16" at 318.166,179.5 h0.24; PIN_NUMBER "M3" at 304.854,184.5 h0.24; PIN_NUMBER "M1" at 302.624,184.5 h0.24; PIN_NUMBER "R4" at 305.854,181.5 h0.24; PIN_NUMBER "N2" at 303.854,183.5 h0.24; PIN_NUMBER "F3" at 304.854,190.5 h0.24; PIN_NUMBER "D1" at 302.624,192.5 h0.24; PIN_NUMBER "D4" at 305.854,192.5 h0.24; PIN_NUMBER "D3" at 304.854,192.5 h0.24; PIN_NUMBER "C3" at 304.854,193.5 h0.24; PIN_NUMBER "C2" at 303.854,193.5 h0.24; PIN_NUMBER "C1" at 302.624,193.5 h0.24; PIN_NUMBER "B3" at 304.854,194.5 h0.24; PIN_NUMBER "B2" at 303.854,194.5 h0.24; PIN_NUMBER "V2" at 303.854,178.5 h0.24; PIN_NUMBER "V1" at 302.624,178.5 h0.24; PIN_NUMBER "B1" at 302.624,194.5 h0.24; PIN_NUMBER "U3" at 304.854,179.5 h0.24; PIN_NUMBER "U2" at 303.854,179.5 h0.24; PIN_NUMBER "U1" at 302.624,179.5 h0.24; PIN_NUMBER "T3" at 304.854,180.5 h0.24; PIN_NUMBER "T2" at 303.854,180.5 h0.24; PIN_NUMBER "T1" at 302.624,180.5 h0.24; PIN_NUMBER "R2" at 303.854,181.5 h0.24; PIN_NUMBER "R1" at 302.624,181.5 h0.24; PIN_NUMBER "P4" at 305.854,182.5 h0.24; PIN_NUMBER "P3" at 304.854,182.5 h0.24; PIN_NUMBER "A2" at 303.854,195.5 h0.24; PIN_NUMBER "P2" at 303.854,182.5 h0.24; PIN_NUMBER "P1" at 302.624,182.5 h0.24; PIN_NUMBER "N4" at 305.854,183.5 h0.24; PIN_NUMBER "N3" at 304.854,183.5 h0.24; PIN_NUMBER "F2" at 303.854,190.5 h0.24; PIN_NUMBER "F1" at 302.624,190.5 h0.24; PIN_NUMBER "E4" at 305.854,191.5 h0.24; PIN_NUMBER "E3" at 304.854,191.5 h0.24; PIN_NUMBER "E2" at 303.854,191.5 h0.24; PIN_NUMBER "E1" at 302.624,191.5 h0.24; PIN_NUMBER "A1" at 302.624,195.5 h0.24; PIN_NUMBER "R3" at 304.854,181.5 h0.24; PIN_NUMBER "N1" at 302.624,183.5 h0.24; PIN_NUMBER "F4" at 305.854,190.5 h0.24; PIN_NUMBER "D2" at 303.854,192.5 h0.24; PIN_NUMBER "J4" at 305.854,187.5 h0.24; PIN_NUMBER "J3" at 304.854,187.5 h0.24; PIN_NUMBER "M4" at 305.854,184.5 h0.24; PIN_NUMBER "J1" at 302.624,187.5 h0.24; PIN_NUMBER "J2" at 303.854,187.5 h0.24; PIN_NUMBER "M2" at 303.854,184.5 h0.24; PIN_NUMBER "G1" at 302.624,189.5 h0.24; PIN_NUMBER "G2" at 303.854,189.5 h0.24; PIN_NUMBER "K4" at 305.854,186.5 h0.24; PIN_NUMBER "H2" at 303.854,188.5 h0.24; PIN_NUMBER "L1" at 302.624,185.5 h0.24; PIN_NUMBER "H1" at 302.624,188.5 h0.24; PIN_NUMBER "L2" at 303.854,185.5 h0.24; PIN_NUMBER "G4" at 305.854,189.5 h0.24; PIN_NUMBER "L3" at 304.854,185.5 h0.24; PIN_NUMBER "G3" at 304.854,189.5 h0.24; PIN_NUMBER "L4" at 305.854,185.5 h0.24; PIN_NUMBER "K1" at 302.624,186.5 h0.24; PIN_NUMBER "H4" at 305.854,188.5 h0.24; PIN_NUMBER "K3" at 304.854,186.5 h0.24; PIN_NUMBER "H3" at 304.854,188.5 h0.24; PIN_NUMBER "K2" at 303.854,186.5 h0.24